# KiCad board nora.kicad_pcb (continued)
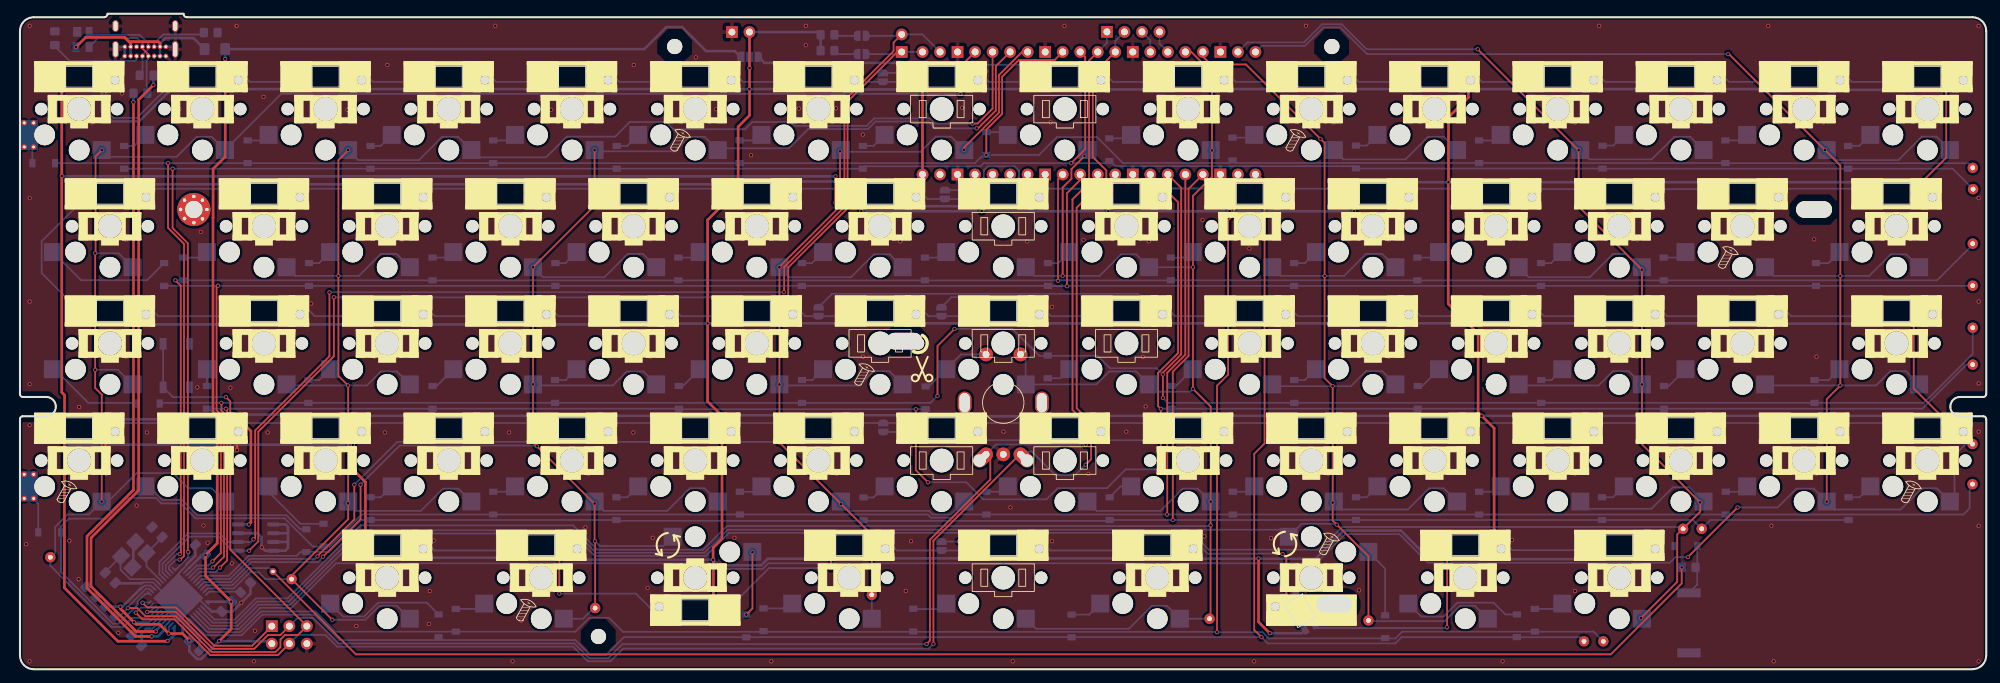
[diagram p0: board, top side]
## Routing (per net, layer and track width the routed paths; a pad name or vN(x,y) marks a point on that pad's centre or on a via; arc(x,y) is an arc through that point) (continued)
VCC: length 26.1
  Top w0.381: v1(8.12,90.27) 9.51,91.67 15.18,91.67 15.32,91.53 ; 16.3,91.05 20.05,91.05 20.3,90.8 J1.B4 ; 16.3,91.05 16.05,90.8 ; 16.3,91.05 15.8,91.05 15.32,91.53 ; 16.05,90.8 15.32,91.53 ; 16.05,90.8 J1.B9
  Bottom w0.381: J1.A9 J1.B4 20.3,90.8 21.07,91.57 25.16,91.57 F1.2 ; J1.B9 J1.A4
Audio_C6: length 227.5
  Top w0.254: Ext_AUDIO_PC6.1 48.69,2.15 230.58,2.15 240.86,12.43 v1(240.86,14.77)
  Bottom w0.254: 26.41,11.67 26.93,12.18 30.8,12.18 33.3,14.67 36.17,14.67 Ext_AUDIO_PC6.1
col0: length 257.2
  Top w0.254: U4.4 136.31,87.44 v1(136.31,83.47) ; v1(11.85,75.32) 10.95,74.42 10.95,60.4 v1(10.9,60.35) v1(10.9,43.45) 10.9,40.8 11.85,39.85 v1(11.85,24.32)
  Bottom w0.254: SW_8.1 27.79,26.25 24.4,26.25 22.2,28.45 16.9,28.45 12.77,24.32 v1(11.85,24.32) 9.98,22.45 7.8,22.45 7.8,22.45 6.9,22.45 5.1,20.65 5.1,16.95 EXT_C0.1 4.4,15.01 13.27,6.14 14.97,6.14 16.28,7.44 18.66,7.44 19.84,8.63 ; v1(136.31,83.47) 37.86,83.47 SW_5.1 27.79,77.25 25.6,77.25 22.7,74.35 12.83,74.35 v1(11.85,75.32) ; v1(10.9,60.35) 14.29,60.35 SW_6.1 ; v1(10.9,43.45) 14.19,43.45 SW_7.1
col1: length 272.4
  Top w0.254: v1(47.57,75.32) 47.57,75.29 46.15,73.87 v1(46.15,57.07) 46.15,42.56 v1(47.55,41.17) 47.57,41.14 v1(47.57,24.07) 47.57,21.77 39.37,13.57 EXT_C1.1 v1(45.27,7.17) ; v1(138.06,79.17) 138.8,79.17 140.98,81.35 U4.5
  Bottom w0.254: EXT_C1.1 35.58,13.07 34.6,14.05 33.32,14.05 30.99,11.72 27.18,11.72 26.72,11.27 ; SW_16.1 54.58,60.25 52.3,60.25 49.12,57.07 39.89,57.07 SW_11.1 ; SW_17.1 54.63,43.2 52.32,43.2 50.29,41.17 v1(47.55,41.17) 38.8,41.17 SW_12.1 ; v1(47.57,24.07) 48.67,22.97 58.1,22.97 61.33,26.2 63.56,26.2 SW_18.1 ; v1(45.27,7.17) 50.07,7.17 52.1,9.2 54.63,9.2 SW_19.1 ; v1(47.57,75.32) 49.02,73.87 57.82,73.87 61.2,77.25 63.51,77.25 SW_15.1 66.48,74.27 76.26,74.27 79.26,77.27 86.26,77.27 88.39,79.4 93.65,79.4 94.7,78.35 105.1,78.35 106.15,79.4 111.65,79.4 112.22,78.83 122.72,78.83 123.81,79.92 131.88,79.92 132.63,79.17 v1(138.06,79.17)
col2: length 284.7
  Top w0.254: v1(49.36,26.77) 49.36,21.76 v1(43.92,16.32) ; U4.6 141.45,87.49 141.45,81.06 138.86,78.47 v1(138.66,78.47) ; EXT_C2.1 83.37,18.56 v1(83.36,18.57) 83.29,18.64 v1(83.29,24.05) 83.22,24.05 v1(74.91,32.36) 74.36,32.9 v1(74.36,41.32) v1(74.36,58.32) 83.29,67.25 v1(83.29,75.32)
  Bottom w0.254: v1(43.92,16.32) 43.92,16.29 43.19,15.55 33.53,15.55 30.61,12.64 26.68,12.64 26.06,12.02 ; SW_27.1 90.35,43.2 87.95,43.2 85.92,41.17 74.52,41.17 v1(74.36,41.32) ; v1(74.91,32.36) 74.82,32.45 55.04,32.45 v1(49.36,26.77) ; SW_26.1 90.3,60.25 88.08,60.25 84.71,56.87 75.81,56.87 v1(74.36,58.32) ; v1(138.66,78.47) 132.69,78.47 131.7,79.47 124,79.47 122.91,78.37 114.24,78.37 111.44,75.57 101.4,75.57 SW_25.1 99.23,77.25 97,77.25 94.89,75.14 83.47,75.14 v1(83.29,75.32) ; v1(83.36,18.57) 84.06,17.87 93.25,17.87 SW_29.1 ; SW_24.1 81.61,7.32 83.16,8.87 EXT_C2.1 ; SW_28.1 99.23,26.25 97.09,26.25 93.82,22.97 84.64,22.97 SW_23.1
col3: length 270.8
  Top w0.254: EXT_C3.1 123.47,13.56 123.47,13.56 123.47,19.51 v1(119.01,23.97) v1(110.08,32.9) v1(110.08,41.32) v1(110.08,58.32) 110.08,58.39 118.87,67.18 v1(118.87,75.15) ; U4.7 145.25,89.56 141.9,86.22 141.9,80.76 136.86,75.72 v1(136.86,75.37) ; v1(43.12,16.37) 43.12,16.41 48.46,21.75 v1(48.46,26.77)
  Bottom w0.254: v1(119.01,23.97) 119.36,23.97 120.36,22.97 131.76,22.97 132.29,22.45 134.93,22.45 136.81,24.32 SW_38.1 ; EXT_C3.1 123.47,7.99 SW_39.1 ; v1(110.08,58.32) 111.53,56.87 120.47,56.87 123.79,60.2 126.06,60.2 SW_36.1 ; 25.71,12.38 26.43,13.09 30.43,13.09 33.34,16.01 42.75,16.01 v1(43.12,16.37) ; v1(48.46,26.77) 54.67,32.99 110,32.99 v1(110.08,32.9) ; SW_37.1 126.02,43.25 123.7,43.25 121.62,41.17 110.24,41.17 v1(110.08,41.32) ; v1(118.87,75.15) 119.01,75.29 SW_30.1 119.26,75.07 130.53,75.07 132.73,77.27 134.96,77.27 v1(136.86,75.37)
col5: length 373.5
  Top w0.254: U4.17 171.46,88.89 172.6,87.75 177.7,87.75 v1(188.5,76.95) 189.1,76.35 v1(189.1,57.07) 189.1,42.24 v1(190.26,41.07) 190.27,41.06 v1(190.27,24.17) 190.27,21.56 v1(190.86,20.97) 190.88,20.97 195.46,16.39 EXT_C5.1
  Bottom w0.254: v1(190.86,20.97) 190.73,21.1 185.77,21.1 SW_54.1 182.88,20.24 102.57,20.24 99.22,16.89 83.5,16.89 80.23,20.16 49.31,20.16 38.97,9.82 34.38,9.82 31.31,6.75 27.94,6.75 26.06,8.63 ; SW_51.1 182.77,57.07 v1(189.1,57.07) 191.92,57.07 195.1,60.25 197.45,60.25 SW_56.1 ; SW_55.1 206.38,77.25 204.1,77.25 200.82,73.97 191.8,73.97 SW_50.1 190.13,75.32 v1(188.5,76.95) ; v1(190.27,24.17) 191.27,23.17 201.17,23.17 204.25,26.25 206.38,26.25 SW_58.1 ; EXT_C5.1 195.56,6.97 206.49,6.97 208.72,9.2 210.9,9.2 SW_59.1 ; SW_57.1 197.45,43.25 195.1,43.25 192.92,41.07 v1(190.26,41.07) 181.77,41.07 SW_52.1
col6: length 445.9
  Top w0.254: v1(211.3,89.95) 220.8,80.45 220.8,80.41 225.89,75.32 v1(225.92,75.32) 225.92,67.15 v1(235.1,57.97) v1(235.1,41.32) 235.1,32.65 v1(243.55,24.2) 243.55,22.86 EXT_C6.1 241.02,20.37 240.21,19.56 240.21,12.68 v1(234.98,7.44)
  Bottom w0.254: v1(243.55,24.2) 243.55,24.8 241.95,26.4 239.6,26.4 236.47,23.27 227.22,23.27 SW_63.1 ; SW_65.1 242.1,77.25 239.8,77.25 236.52,73.97 227.52,73.97 SW_60.1 v1(225.92,75.32) ; U4.19 177.93,90.95 186.1,90.95 188.74,93.59 191.56,93.59 195.2,89.95 v1(211.3,89.95) ; EXT_C6.1 240.79,20.64 191.66,20.64 188.37,17.35 172.3,17.35 169.86,19.78 102.76,19.78 99.41,16.43 83.31,16.43 80.04,19.7 49.5,19.7 39.16,9.36 34.57,9.36 31.5,6.3 27.69,6.3 25.71,8.27 ; v1(235.1,41.32) 233.17,43.25 230.9,43.25 228.82,41.17 217.39,41.17 SW_62.1 ; v1(235.1,57.97) 232.82,60.25 230.9,60.25 227.52,56.87 218.69,56.87 SW_61.1
col7: length 495.5
  Top w0.254: v1(261.89,24.32) 261.89,39.2 v1(263.86,41.17) v1(263.86,57.07) 263.86,73.09 v1(261.63,75.32) 257.77,79.18 257.74,79.18 256.52,80.41 256.52,80.43 247.7,89.25 v1(247.6,89.25) ; v1(248.96,23.47) v1(241.76,16.27)
  Bottom w0.254: v1(241.76,16.27) 239.97,16.27 239.15,15.45 204.08,15.45 199.94,19.6 192.1,19.6 187.86,15.37 108.46,15.37 107.65,14.55 100.9,14.55 100.09,15.37 45.81,15.37 39.35,8.9 34.81,8.9 31.75,5.84 27.44,5.84 25.35,7.92 ; SW_76.1 273.4,60.2 271.17,60.2 268.05,57.07 v1(263.86,57.07) 254.21,57.07 SW_71.1 ; U4.20 179.11,89.56 180,90.45 186.25,90.45 188.93,93.13 191.37,93.13 195.25,89.25 v1(247.6,89.25) ; SW_75.1 277.8,77.27 275.67,77.27 272.27,73.87 263.34,73.87 SW_70.1 v1(261.63,75.32) ; EXT_C7.1 282.02,32.67 280.4,31.05 280.4,24.95 279.77,24.32 SW_78.1 277.82,26.25 275.69,26.25 272.61,23.17 263.04,23.17 v1(261.89,24.32) 260.01,26.2 257.5,26.2 254.77,23.47 v1(248.96,23.47) ; SW_72.1 253.11,41.17 263.86,41.17 v1(263.86,41.17) 269.04,41.17 271.11,43.25 273.35,43.25 SW_77.1
D+: length 92.4
  Top w0.381: v1(19.34,84.77) 17.2,82.64 17.2,25.95 10.3,19.05 10.3,12.02 16.84,5.48 v1(19.67,5.48)
  Bottom w0.254: 20.33,6.23 20.33,6.29 21.25,7.21
  Bottom w0.381: 20.36,6.25 19.67,5.56 v1(19.67,5.48) ; R3.1 19.35,84.78 v1(19.34,84.77)
D-: length 90.5
  Top w0.381: v1(19.09,4.76) 16.74,4.76 9.72,11.78 9.72,19.29 16.45,26.02 v1(16.45,82.28)
  Bottom w0.254: 21.61,6.86 20.99,6.24
  Bottom w0.381: v1(19.09,4.76) 19.11,4.78 19.99,4.78 21.04,5.84 21.04,6.2 ; R4.1 16.45,82.28 v1(16.45,82.28)
LED: length 244.5
  Top w0.381: U4.34 146.06,68.28 v1(147.16,67.17) ; v1(21.39,4.11) 21.34,4.06 14.19,4.06 6.43,11.82 6.43,36.55 6.46,36.58 6.46,39.77 6.06,40.17 v1(6.06,71.57) 6.06,85.12 5.96,85.22 ; v1(118.21,71.51) v1(118.21,67.67)
  Bottom w0.381: v1(118.21,67.67) 118.71,67.17 v1(147.16,67.17) ; 22.38,6.07 22.38,5.01 21.48,4.11 v1(21.39,4.11) ; v1(6.06,71.57) 6.12,71.51 v1(118.21,71.51)
  vias: v1(5.96,85.22)
MISO: length 23.5
  Top w0.254: v1(17.77,9.65) 18.44,8.97 22.59,8.97 28.14,3.42 33.67,3.42 J5.1
  Bottom w0.254: v1(17.77,9.65) 17.81,9.69 18.78,9.69
PICO_10: length 3.4
  Bottom w0.254: U4.14 163.84,91.26 J2.3
PICO_11: length 3.4
  Bottom w0.254: U4.15 165.17,90.77 J2.4
PICO_VBUS: length 38.6
  Top w0.381: v1(128.16,87.77) 130.82,85.12 U4.40
  Bottom w0.381: JP3.1 107.93,87.97 127.96,87.97 v1(128.16,87.77)
RE1_S1: length 368.6
  Top w0.254: U4.16 169.77,89.56 172.77,86.57 v1(172.77,75.27) 172.77,71.43 170.02,68.68 v1(170.02,58.32) v1(170.02,40.67) 172.59,38.11 v1(172.59,24.32) 172.57,24.31 v1(172.57,20.87) 172.57,7.47 EXT_C4.1 ; v1(151.13,57.07) 151.13,69.88 152.4,71.15 152.4,72.55 v1(154.3,74.45)
  Bottom w0.254: v1(172.57,20.87) 172.47,20.77 102.46,20.77 99.03,17.35 83.69,17.35 80.17,20.87 49.38,20.87 38.78,10.27 34.19,10.27 31.13,7.21 28.18,7.21 26.41,8.98 ; EXT_C4.1 SW_49.1 166.25,9.2 164.07,9.2 160.75,5.87 147.25,5.87 SW_44.1 ; SW_41.1 147.05,57.07 v1(151.13,57.07) 156.48,57.07 159.61,60.2 161.78,60.2 SW_46.1 v1(170.02,58.32) ; SW_43.1 156.08,22.97 165.31,22.97 168.54,26.2 170.71,26.2 v1(172.59,24.32) ; v1(170.02,40.67) 169.62,40.27 164.71,40.27 SW_47.1 161.78,43.2 157.89,43.2 156.01,41.32 145.78,41.32 145.76,41.34 145.76,44.94 RE_42.S1
RE1_S2: length 10.7
  Bottom w0.254: D42.2 131.72,41.02 134.22,43.52 ; RE_42.S2 136.4,45.67 SW_42.2 134.21,43.52
RE1A_SCK: length 231.2
  Top w0.254: v1(154.46,32.59) 154.76,32.89 154.76,35.4 152.56,37.6 152.56,68.17 154.96,70.57 154.96,88.31 U4.11 ; v1(18.45,8.32) 22.6,8.32 27.96,2.96 33.95,2.96 35.94,4.95 37.74,4.95 J5.3 ; v1(131.4,3.65) 131.9,4.15 131.9,18.8 140.65,27.55 140.65,30.55 140.02,31.17
  Bottom w0.254: v1(18.45,8.32) 18.82,8.32 19.49,8.98 ; v1(131.4,3.65) 87.34,3.65 85.3,1.62 82.47,1.62 80.36,3.73 46.17,3.73 42.47,7.43 40.22,7.43 J5.3 ; U4.11 157.55,90.89 J2.1 ; v1(154.46,32.59) 141.45,32.59 140.02,31.17
RE1B_MOSI: length 237.7
  Top w0.254: 145.02,31.17 144.92,31.17 132.4,18.65 v1(132.4,3.67) ; v1(154.46,29.67) 155.26,30.47 155.26,35.77 153.16,37.87 153.16,66.97 157.46,71.27 157.46,72.37 155.5,74.34 155.5,86.3 U4.12 ; J5.4 37.38,2.05 27.58,2.05 22.39,7.23 17.75,7.23 v1(16.78,8.2)
  Bottom w0.254: J2.2 158.76,91.14 U4.12 ; 19.13,9.33 18.75,8.95 17.54,8.95 16.79,8.2 v1(16.78,8.2) ; 145.02,31.17 145.42,31.57 146.66,31.57 150.05,28.18 152.97,28.18 v1(154.46,29.67) ; J5.4 40.3,4.97 44.27,4.97 45.97,3.27 80.17,3.27 82.28,1.16 85.59,1.16 87.44,3 131.73,3 v1(132.4,3.67)
RESET: length 92.1
  Top w0.254: v1(29.86,39.47) 30.48,38.85 30.48,31.95 30.48,31.95 30.48,17.35 J5.5 40.28,4.95 38.4,4.95 37.76,4.31 37.76,3.22 37.04,2.51 27.77,2.51 22.58,7.69 18.19,7.69 17.01,8.87 v1(15.63,8.87)
  Bottom w0.254: 19.13,11.31 19.07,11.31 18.69,11.69 18.28,11.69 15.63,9.05 v1(15.63,8.87) 14.52,7.75 13.8,7.75 ; ResetSW1.2 ResetSW1.2 22.17,39.47 v1(29.86,39.47)
row0: length 365.9
  Top w0.254: v1(23.14,15.9) 23.24,15.9 23.77,16.44 23.77,61.72 21.46,64.03 v1(21.46,73.42) ; v1(140.07,74.62) 140.07,78.29 142.36,80.57 142.36,85.97 144.77,88.38 149.96,88.38 U4.9
  Bottom w0.254: v1(23.14,15.9) 22.58,15.9 21.59,14.91 21.59,14.52 21.96,14.14 ; 211.52,73.45 247.17,73.45 ; 211.52,73.45 204.26,73.45 204.25,73.45 192.71,73.45 192.71,73.45 176.13,73.45 D50.1 175.37,73.45 159.87,73.45 156.11,77.2 150.29,77.2 147.71,74.62 139.62,74.62 138.42,73.42 D30.1 D20.1 68.59,73.42 33,73.42 D9.1 v1(21.46,73.42) D1.1 ; 211.52,73.45 D60.1 ; EXT_R0.1 282.38,73.42 247.2,73.42 D70.1
row1: length 322.8
  Top w0.254: U4.32 150.46,71.11 v1(150.46,56.37) ; v1(23.14,16.71) 23.32,16.88 23.32,27.3 23.3,27.32 23.3,55.65 v1(22.53,56.42)
  Bottom w0.254: v1(22.53,56.42) 23.69,56.42 ; 23.69,56.42 D21.1 59.81,56.42 95.42,56.42 D31.1 95.43,56.42 166.82,56.42 D51.1 D61.1 202.56,56.42 238.24,56.42 D71.1 277.88,56.42 283.05,61.6 EXT_R1.1 ; 23.69,56.42 D11.1 23.69,56.42 ; 21.61,13.79 21.13,14.27 21.13,15.1 22.74,16.71 v1(23.14,16.71)
row2: length 346.5
  Top w0.254: v1(131.61,27.12) 129.86,28.87 v1(129.86,37.72) ; v1(29,14.75) 30.03,15.78 30.03,31.76 30.02,31.76 30.02,37.63 v1(29.85,37.8) ; U4.27 167.86,67.76 167.86,45.87 164.96,42.97 164.96,38.17 v1(165.36,37.77) v1(165.36,29.02)
  Bottom w0.254: v1(165.36,37.77) 165.39,37.8 D52.1 D62.1 D72.1 275.75,37.8 282.15,44.2 EXT_R2.1 ; D42.1 95.58,37.72 D32.1 D22.1 D12.1 ; v1(131.61,27.12) 137.16,27.12 139.63,24.65 148.79,24.65 150.41,26.27 157.56,26.27 160.28,29 165.33,29 v1(165.36,29.02) ; 25,13.08 26.04,14.12 28.37,14.12 v1(29,14.75)
row3: length 362.7
  Top w0.254: U4.25 168.92,45.64 166.29,43.01 166.29,22.48 v1(166.26,22.45)
  Bottom w0.254: EXT_R3.1 282.6,26.44 282.6,23.35 281.7,22.45 257.83,22.45 257.83,22.45 D73.1 241.53,22.45 241.53,22.45 211.5,22.45 D63.1 205.81,22.45 205.81,22.45 204.26,22.45 204.25,22.45 187.95,22.45 187.95,22.45 186.4,22.45 186.39,22.45 D53.1 170.09,22.45 170.09,22.45 168.54,22.45 168.53,22.45 v1(166.26,22.45) 152.23,22.45 152.23,22.45 150.68,22.45 150.68,22.45 135.64,22.45 135.18,21.99 132.04,21.99 131.59,22.45 114.96,22.45 114.96,22.45 D33.1 98.66,22.45 98.65,22.45 97.1,22.45 97.1,22.45 80.8,22.45 80.79,22.45 79.24,22.45 79.24,22.45 D23.1 62.94,22.45 62.94,22.45 61.38,22.45 61.38,22.45 49.54,22.45 44.89,17.8 D13.1 42.45,17.8 38.36,21.89 25.46,21.89 23.3,24.05 20.5,24.05 19.7,24.85 15.5,24.85 12.5,21.85 7.1,21.85 5.95,20.7 D2.1 5.95,14.11 13.46,6.6 14.28,6.6 17.06,9.37 17.06,9.83 18.19,10.96 18.78,10.96
row4: length 278.6
  Top w0.254: v1(173.51,5.37) 173.51,41.14 175.12,42.75 175.12,65.13 175.96,65.97 175.96,71.21 U4.22
  Bottom w0.254: EXT_R4.1 228.1,5.45 200.35,5.45 199.37,4.47 181.02,4.47 180.12,5.37 v1(173.51,5.37) 173.47,5.42 87.42,5.42 85.38,7.45 82.52,7.45 80.51,5.45 45.75,5.45 42.82,8.37 34.93,8.37 31.94,5.38 27.19,5.38 25,7.57
row5: length 347.6
  Top w0.254: v1(152.36,73.42) 154.4,75.46 154.4,88.84 U4.10 ; v1(22.13,72.62) 22.13,64.01 24.33,61.81 24.33,17.09 v1(24.4,17.01)
  Bottom w0.254: 22.31,14.5 22.64,14.5 24.4,16.26 v1(24.4,17.01) ; EXT_R5.1 280.13,72.62 D75.1 229.44,72.62 229.39,72.67 229.36,72.64 193.67,72.64 D55.1 193.33,72.99 158.78,72.99 158.05,73.72 D45.1 157.6,73.42 v1(152.36,73.42) 139.66,73.42 139.2,72.96 122.51,72.96 D35.1 D25.1 v1(22.13,72.62) D4.1
row6: length 330.4
  Top w0.254: v1(151.76,55.57) 151.76,69.07 153.68,70.99 U4.31 ; v1(27.9,15.65) 29.11,16.86 29.11,29.16 29.11,29.17 29.11,31.38 29.11,31.39 29.11,36.96 28.49,37.58 28.49,55.43 v1(28.71,55.65)
  Bottom w0.254: 24.31,13.75 25.62,15.05 27.3,15.05 v1(27.9,15.65) ; EXT_R6.1 283.02,55.62 D76.1 D66.1 D56.1 D46.1 152.02,55.62 D36.1 D26.1 41.89,55.62 D16.1 D5.1
row7: length 344.3
  Top w0.254: v1(165.66,39.37) v1(165.66,42.77) 165.66,43.03 168.32,45.69 168.32,69.85 U4.26 ; v1(132.99,39.66) 132.99,46.91 v1(135.46,49.37) ; v1(28,14.75) 29.57,16.32 29.57,31.57 29.57,31.58 29.57,37.15 29.2,37.52 v1(29.2,38.65)
  Bottom w0.254: 24.65,13.44 25.8,14.59 27.84,14.59 v1(28,14.75) ; EXT_R7.1 283.05,45.75 275.95,38.65 D77.1 D67.1 D57.1 166.39,38.65 v1(165.66,39.37) ; v1(165.66,42.77) 164.76,43.67 157.99,43.67 156.19,45.47 147.76,45.47 143.86,49.37 v1(135.46,49.37) ; v1(132.99,39.66) 131.98,38.65 D37.1 D27.1 D17.1 29.2,38.65 v1(29.2,38.65) 29.19,38.65 20.4,38.65 20.2,38.45
row8: length 296.5
  Top w0.254: v1(167.1,21.65) 167.1,43.18 169.38,45.45 169.38,69.7 U4.24
  Bottom w0.254: D78.1 245.04,21.65 EXT_R8.1 242.49,21.65 D68.1 D58.1 D48.1 157.83,21.53 86.57,21.53 D28.1 D18.1 49.45,21.65 44.82,17.02 41.52,17.02 D7.1 40.65,17 40.11,16.46 33.15,16.46 30.24,13.55 26.18,13.55 25.31,12.68
row9: length 277.6
  Top w0.254: U4.21 179.35,71.78 180.4,70.74 180.4,32.75 178.9,31.25 178.9,5.7 v1(179.95,4.65)
  Bottom w0.254: 24.65,7.21 26.94,4.92 32.12,4.92 35.12,7.92 42.63,7.92 46.32,4.23 80.5,4.23 82.66,2.07 84.96,2.07 87.54,4.65 v1(179.95,4.65) 180.86,3.74 199.34,3.74 200.25,4.65 226.1,4.65 EXT_R9.1
SCL: length 181.4
  Top w0.254: v1(110.73,54.69) 110.77,54.73 110.77,58.35 119.5,67.08 119.5,80.56 119.5,82.56 126.62,89.68 126.62,90.92 J3.2 ; v1(44.86,54.67) 44.86,45.42 34.09,34.65 34.09,19.09 v1(33.85,18.85)
  Bottom w0.254: U4.2 130.82,92.1 J3.2 127.6,91.9 JP2.2 ; v1(44.86,54.67) 44.89,54.7 110.72,54.7 v1(110.73,54.69) ; 20.9,13.08 20.22,13.77 20.22,15.57 24.36,19.71 28.94,19.71 30.18,18.46 U2.6 33.47,18.46 v1(33.85,18.85)
SDA: length 176
  Top w0.254: J3.1 127.15,89.56 119.96,82.37 119.96,66.89 111.36,58.29 111.36,53.97 v1(111.34,53.95) ; v1(45.49,53.97) 45.49,45.4 34.55,34.46 34.55,18.55 v1(33.2,17.2)
  Bottom w0.254: JP1.2 127.49,89.25 J3.1 U4.1 ; v1(45.49,53.97) 45.51,53.95 111.34,53.95 v1(111.34,53.95) ; 21.25,13.44 20.67,14.02 20.67,15.32 24.6,19.25 28.75,19.25 30.8,17.2 31.57,17.2 U2.5 31.58,17.2 v1(33.2,17.2)
Skip_R1C: length 43.4
  Bottom w0.254: 166.54,85.22 158.42,85.22 156.92,86.72 154.09,86.72 154.09,87.39 153.77,87.7 129.41,87.7 128.23,86.52 JP4.2
Skip_R2C: length 13.2
  Bottom w0.254: 139.88,68.22 131.56,68.22 130.06,69.72 127.3,69.72
Skip_R3C: length 26.3
  Bottom w0.254: JP7.2 135.01,53.97 144.58,53.97 145.16,53.39 145.16,52.72 ; 145.02,52.72 147.96,52.72 149.46,51.22 157.61,51.22
Skip_R3RE: length 62.7
  Bottom w0.254: 162.88,52.72 165.93,52.72 167.43,51.22 175.74,51.22 ; JP6.2 117.71,54.47 161.99,54.47 163.08,53.39 L40.2
Skip_R4C: length 13.2
  Bottom w0.254: 118.24,35.72 129.11,35.72 130.61,34.22 130.82,34.22
Skip_R5C: length 30.5
  Top w0.254: v1(136.1,18.55) 137.25,19.7 144.84,19.7 145.16,19.39 v1(145.16,18.72)
  Bottom w0.254: 162.21,17.22 149.38,17.22 147.88,18.72 v1(145.16,18.72) ; v1(136.1,18.55) 136.07,18.52 JP9.2
Net-(C2-Pad1): length 8.3
  Bottom w0.254: 20.59,12.68 18.34,14.93 Y1.1 20.6,19.1 C2.1
Net-(C3-Pad1): length 11.8
  Bottom w0.254: 20.19,12.38 19.49,13.07 15.95,13.07 14.58,14.44 14.58,16.33 Y1.3 12.36,14.1 C3.1
Net-(C6-Pad1): length 5.6
  Bottom w0.254: 16.2,4.85 17.71,6.36 18.98,6.36 20.55,7.92
Net-(D1-Pad2): length 4.3
  Bottom w0.254: SW_1.2 1.3,76.45 1.79,75.96 D1.2
Net-(D2-Pad2): length 7.2
  Bottom w0.254: SW_3.2 1.3,25.33 2.65,23.99 D2.2
Net-(D4-Pad2): length 3.7
  Bottom w0.254: D4.2 16.56,75.92 SW_5.2
Net-(D5-Pad2): length 18.8
  Bottom w0.254: D5.2 18.42,56.45 8.85,56.45 SW_6.2
Net-(D6-Pad2): length 14.2
  Bottom w0.254: 16.9,38.55 16.8,38.65 9.9,38.65 5.03,43.52 SW_7.2
Net-(D7-Pad2): length 25.9
  Bottom w0.254: SW_8.2 18.67,26.52 20.65,24.55 23.5,24.55 25.7,22.35 38.6,22.35 40.65,20.3 D7.2
Net-(D9-Pad2): length 3.4
  Bottom w0.254: SW_10.2 35.22,76.72 D9.2
Net-(D10-Pad2): length 14.4
  Bottom w0.254: R3.2 17.75,86.57 J1.A6 17.75,89.12 18.6,89.97 J1.B6 18.6,90.8 17.37,92.03 10.46,92.03 D10.2
Net-(D10-Pad3): length 16.3
  Top w0.254: J1.B7 17.75,90.06 18.6,89.21 J1.A7
  Bottom w0.254: D10.3 11.32,91.57 16.98,91.57 17.75,90.8 J1.B7 ; R4.2 18.36,83.66 18.36,88.32 18.6,88.56 J1.A7
Net-(D11-Pad2): length 3.7
  Bottom w0.254: SW_11.2 26.29,59.72 D11.2
Net-(D12-Pad2): length 2.4
  Bottom w0.254: SW_12.2 27.1,43.52 D12.2
Net-(D13-Pad2): length 10.7
  Bottom w0.254: D13.2 40.65,21.1 36.02,25.73 SW_13.2
Net-(D14-Pad2): length 4.4
  Bottom w0.254: D14.2 66.5,8.75 SW_24.2
Net-(D15-Pad2): length 3.7
  Bottom w0.254: D15.2 52.28,75.92 SW_15.2
Net-(D16-Pad2): length 3.7
  Bottom w0.254: SW_16.2 43.35,58.92 D16.2
Net-(D17-Pad2): length 3.8
  Bottom w0.254: SW_17.2 43.38,41.95 D17.2
Net-(D18-Pad2): length 3.7
  Bottom w0.254: D18.2 52.31,24.95 SW_18.2
Net-(D19-Pad2): length 18
  Bottom w0.254: SW_19.2 46.83,7.65 49.9,7.65 51.91,9.66 58.97,9.66 D19.2
Net-(D20-Pad2): length 3.5
  Bottom w0.254: SW_20.2 70.94,76.72 D20.2
Net-(D21-Pad2): length 3.3
  Bottom w0.254: 59.8,59.72 62.01,59.72 SW_21.2
Net-(D22-Pad2): length 4
  Bottom w0.254: SW_22.2 60.39,41.1 D22.2
Net-(D23-Pad2): length 3.5
  Bottom w0.254: D23.2 70.97,25.75 SW_23.2
Net-(D25-Pad2): length 3.8
  Bottom w0.254: SW_25.2 88,75.92 D25.2
Net-(D26-Pad2): length 3.7
  Bottom w0.254: SW_26.2 79.07,58.92 D26.2
Net-(D27-Pad2): length 3.8
  Bottom w0.254: SW_27.2 79.1,41.95 D27.2
Net-(D28-Pad2): length 3.8
  Bottom w0.254: D28.2 88.03,24.95 SW_28.2
Net-(D29-Pad2): length 9.4
  Top w0.254: v1(105.27,7.92) 106.17,8.82 v1(106.17,16.97)
Net-(D30-Pad2): length 3.5
  Bottom w0.254: SW_30.2 106.66,76.72 D30.2
Net-(D31-Pad2): length 3.4
  Bottom w0.254: 95.43,59.72 97.73,59.72 SW_31.2
Net-(D32-Pad2): length 4
  Bottom w0.254: SW_32.2 96.11,41.1 D32.2
Net-(D33-Pad2): length 3.4
  Bottom w0.254: D33.2 106.69,25.75 SW_33.2
Net-(D35-Pad2): length 3.8
  Bottom w0.254: D35.2 123.72,75.92 SW_35.2
Net-(D36-Pad2): length 3.7
  Bottom w0.254: D36.2 114.79,58.92 SW_36.2
Net-(D37-Pad2): length 3.7
  Bottom w0.254: SW_37.2 114.82,41.95 D37.2
Net-(D38-Pad2): length 3.7
  Bottom w0.254: SW_38.2 123.72,24.92 D38.2
Net-(D39-Pad2): length 4.4
  Bottom w0.254: SW_39.2 111.23,8.82 D39.2
Net-(D40-Pad2): length 3.3
  Bottom w0.254: D40.2 142.78,77.92 SW_40.2
Net-(D41-Pad2): length 3.4
  Bottom w0.254: D41.2 133.45,59.72 SW_41.2
Net-(D43-Pad2): length 3.4
  Bottom w0.254: SW_43.2 142.4,25.75 D43.2
Net-(D44-Pad2): length 5.1
  Bottom w0.254: SW_44.2 133.45,8.72 129.47,8.72
Net-(D45-Pad2): length 3.3
  Bottom w0.254: SW_45.2 160.54,77.02 D45.2
Net-(D46-Pad2): length 3.8
  Bottom w0.254: SW_46.2 150.51,58.92 D46.2
Net-(D47-Pad2): length 3.7
  Bottom w0.254: D47.2 150.81,42.22 SW_47.2
Net-(D48-Pad2): length 3.7
  Bottom w0.254: D48.2 159.52,26.52 SW_48.2
Net-(D49-Pad2): length 4.8
  Bottom w0.254: D49.2 154.97,7.92 SW_49.2
Net-(D50-Pad2): length 3.3
  Bottom w0.254: D50.2 178.5,77.12 SW_50.2
Net-(D51-Pad2): length 3.5
  Bottom w0.254: 166.83,59.72 169.17,59.72 SW_51.2
Net-(D52-Pad2): length 4.1
  Bottom w0.254: D52.2 167.54,41.1 SW_52.2
Net-(D53-Pad2): length 3.4
  Bottom w0.254: D53.2 178.12,25.75 SW_53.2
Net-(D54-Pad2): length 10.2
  Bottom w0.254: SW_54.2 197.87,14.6 D54.2
Net-(D55-Pad2): length 3.8
  Bottom w0.254: SW_55.2 195.21,75.97 D55.2
Net-(D56-Pad2): length 3.8
  Bottom w0.254: D56.2 186.23,58.92 SW_56.2
Net-(D57-Pad2): length 3.8
  Bottom w0.254: D57.2 186.25,41.95 SW_57.2
Net-(D58-Pad2): length 3.8
  Bottom w0.254: D58.2 195.18,24.95 SW_58.2
Net-(D59-Pad2): length 18.1
  Bottom w0.254: D59.2 215.3,7.95 213.59,9.66 208.36,9.66 206.35,7.65 203.1,7.65 SW_59.2
Net-(D60-Pad2): length 3.5
  Bottom w0.254: SW_60.2 213.82,76.72 D60.2
Net-(D61-Pad2): length 3.5
  Bottom w0.254: 202.55,59.72 204.89,59.72 SW_61.2
Net-(D62-Pad2): length 4.1
  Bottom w0.254: SW_62.2 203.26,41.1 D62.2
Net-(D63-Pad2): length 3.4
  Bottom w0.254: SW_63.2 213.84,25.75 D63.2
Net-(D64-Pad2): length 4.3
  Bottom w0.254: SW_64.2 222.77,8.75 D64.2
Net-(D65-Pad2): length 3.7
  Bottom w0.254: SW_65.2 230.93,75.97 229.39,75.97
Net-(D66-Pad2): length 3.7
  Bottom w0.254: D66.2 221.95,58.92 SW_66.2
Net-(D67-Pad2): length 3.7
  Bottom w0.254: D67.2 221.97,41.95 SW_67.2
Net-(D68-Pad2): length 3.8
  Bottom w0.254: D68.2 230.9,24.95 SW_68.2
Net-(D70-Pad2): length 3.5
  Bottom w0.254: SW_70.2 249.54,76.72 D70.2
Net-(D71-Pad2): length 3.5
  Bottom w0.254: SW_71.2 240.61,59.72 238.25,59.72
Net-(D72-Pad2): length 4.1
  Bottom w0.254: SW_72.2 238.98,41.1 D72.2
Net-(D73-Pad2): length 3.4
  Bottom w0.254: SW_73.2 249.56,25.75 D73.2
Net-(D75-Pad2): length 3.9
  Bottom w0.254: D75.2 266.6,75.92 SW_75.2
Net-(D76-Pad2): length 4.1
  Bottom w0.254: D76.2 262.13,58.92 SW_76.2
Net-(D77-Pad2): length 4.3
  Bottom w0.254: SW_77.2 262.16,41.95 D77.2
Net-(D78-Pad2): length 3.8
  Bottom w0.254: D78.2 266.62,24.95 SW_78.2
Net-(D99-Pad1): length 7.5
  Bottom w0.254: D99.1 243.12,15.02 R7.2 243.11,14.54 243.11,12.27 LS1.2
Net-(J1-PadA5): length 13.5
  Bottom w0.254: J1.A5 16.9,88.47 16.72,88.28 7.16,88.28 5.05,90.39 R2.2
Net-(J1-PadB5): length 8.3
  Bottom w0.254: J1.B5 19.45,90.8 20.74,92.09 26.37,92.09 R1.2
Net-(JP1-Pad1): length 3.5
  Bottom w0.254: R8.2 118.55,89.25 JP1.1
Net-(JP2-Pad1): length 3.4
  Bottom w0.254: R9.2 118.2,91.9 JP2.1
Net-(JP4-Pad1): length 13.2
  Bottom w0.254: 130.95,85.22 122.59,85.22 121.09,86.72 118.37,86.72
Net-(JP5-Pad1): length 29.1
  Bottom w0.254: 155.21,69.62 156.6,68.22 157.74,68.22 ; 155.21,69.62 155.1,69.72 ; 155.21,69.62 155.1,69.72 ; 155.1,69.72 L24.4 144.81,70.14 144.81,72.32 144.17,72.96 140.29,72.96 139.71,72.37 139.71,71.38 137.85,69.52 JP5.1
Net-(JP6-Pad1): length 13.5
  Bottom w0.254: 109.3,52.72 112.33,52.72 113.83,51.22 122.16,51.22
Net-(JP7-Pad1): length 13.1
  Bottom w0.254: 127.3,52.72 130.2,52.72 131.7,51.22 139.75,51.22
Net-(JP8-Pad1): length 55.2
  Bottom w0.254: 166.31,34.22 164.81,35.72 L54.4 ; 166.31,34.22 165.31,33.22 130.11,33.22 128.91,34.42 JP8.1 ; 166.31,34.22 L53.2
Net-(JP9-Pad1): length 17.7
  Bottom w0.254: 139.88,17.22 127.09,17.22 125.59,18.72 122.84,18.72
Net-(L1-Pad2): length 20.2
  Bottom w0.254: L2.4 22.18,85.22 16.95,80 13.55,80 12.8,80.75 12.46,81.09 12.46,85.85 11.59,86.72 L1.2
Net-(L2-Pad2): length 13.5
  Bottom w0.254: 28.93,86.72 31.83,86.72 33.33,85.22 41.79,85.22
Net-(L3-Pad2): length 13.5
  Bottom w0.254: 59.65,85.22 51.15,85.22 49.65,86.72 46.79,86.72
Net-(L4-Pad2): length 13.5
  Bottom w0.254: 77.51,85.22 69.03,85.22 67.53,86.72 64.65,86.72
Net-(L5-Pad2): length 13.5
  Bottom w0.254: 95.37,85.22 86.87,85.22 85.37,86.72 82.51,86.72
Net-(L6-Pad2): length 13.5
  Bottom w0.254: 113.23,85.22 104.77,85.22 103.27,86.72 100.37,86.72
Net-(L8-Pad2): length 13.2
  Bottom w0.254: 136.1,86.72 138.95,86.72 140.45,85.22 148.68,85.22
Net-(L10-Pad2): length 13.5
  Bottom w0.254: 171.81,86.72 174.73,86.72 176.23,85.22 184.67,85.22
Net-(L11-Pad2): length 13.5
  Bottom w0.254: 189.67,86.72 192.53,86.72 194.03,85.22 202.53,85.22
Net-(L12-Pad2): length 13.5
  Bottom w0.254: 220.39,85.22 211.93,85.22 210.43,86.72 207.53,86.72
Net-(L13-Pad2): length 13.5
  Bottom w0.254: 225.39,86.72 228.33,86.72 229.83,85.22 238.25,85.22
Net-(L14-Pad2): length 13.5
  Bottom w0.254: 243.25,86.72 246.23,86.72 247.73,85.22 256.11,85.22
Net-(L15-Pad2): length 13.5
  Bottom w0.254: 273.97,85.22 265.53,85.22 264.03,86.72 261.11,86.72
Net-(L16-Pad2): length 18.9
  Top w0.254: v1(279.21,86.72) 279.21,74.23 L17.4
  vias: v1(274.71,69.72)
Net-(L17-Pad2): length 17.9
  Bottom w0.254: 252.18,69.72 267.54,69.72 269.04,68.22 269.5,68.22
Net-(L18-Pad2): length 13.3
  Bottom w0.254: 247.18,68.22 246.44,68.22 245.01,69.65 234.53,69.65 234.45,69.72
Net-(L19-Pad2): length 13.3
  Bottom w0.254: 216.6,69.72 216.67,69.65 227.27,69.65 228.7,68.22 229.32,68.22
Net-(L20-Pad2): length 13.5
  Bottom w0.254: 211.46,68.22 210.98,68.22 209.48,69.72 198.6,69.72
Net-(L21-Pad2): length 13.5
  Bottom w0.254: 193.6,68.22 193.13,68.22 191.63,69.72 180.74,69.72
Net-(L22-Pad2): length 13.5
  Bottom w0.254: 162.91,69.75 173.6,69.75 175.13,68.22 175.74,68.22
Net-(L25-Pad2): length 13.5
  Bottom w0.254: 109.3,69.72 119.63,69.72 121.13,68.22 122.16,68.22
Net-(L26-Pad2): length 13.5
  Bottom w0.254: 91.44,69.72 102.03,69.72 103.53,68.22 104.3,68.22
Net-(L27-Pad2): length 13.5
  Bottom w0.254: 73.58,69.72 84.03,69.72 85.53,68.22 86.44,68.22
Net-(L28-Pad2): length 13.5
  Bottom w0.254: 68.58,68.22 67.33,68.22 65.83,69.72 55.72,69.72
Net-(L29-Pad2): length 13.5
  Bottom w0.254: 50.72,68.22 49.53,68.22 48.03,69.72 37.86,69.72
Net-(L30-Pad2): length 17.9
  Bottom w0.254: 15.54,69.72 30.23,69.72 31.73,68.22 32.86,68.22
Net-(L31-Pad2): length 24.5
  Bottom w0.254: 10.54,51.22 9.39,51.22 3.14,57.47 3.14,62.09 9.28,68.22 10.54,68.22
Net-(L32-Pad2): length 17.9
  Bottom w0.254: 15.54,52.72 18.51,52.72 20.01,51.22 32.86,51.22
Net-(L33-Pad2): length 13.7
  Bottom w0.254: 37.86,52.72 38.09,52.95 41,52.95 42.73,51.22 50.72,51.22
Net-(L34-Pad2): length 13.7
  Bottom w0.254: 55.72,52.72 55.95,52.95 58.4,52.95 60.13,51.22 68.58,51.22
Net-(L35-Pad2): length 13.7
  Bottom w0.254: 86.44,51.22 78.03,51.22 76.3,52.95 73.81,52.95 73.58,52.72
Net-(L36-Pad2): length 13.7
  Bottom w0.254: 104.3,51.22 95.83,51.22 94.1,52.95 91.67,52.95 91.44,52.72
Net-(L41-Pad2): length 13.5
  Bottom w0.254: 193.6,51.22 185.23,51.22 183.73,52.72 180.74,52.72
Net-(L42-Pad2): length 13.5
  Bottom w0.254: 198.6,52.72 201.53,52.72 203.03,51.22 211.46,51.22
Net-(L43-Pad2): length 13.5
  Bottom w0.254: 229.32,51.22 220.93,51.22 219.43,52.72 216.46,52.72
Net-(L44-Pad2): length 13.5
  Bottom w0.254: 234.32,52.72 237.23,52.72 238.73,51.22 247.18,51.22
Net-(L45-Pad2): length 17.9
  Bottom w0.254: 269.5,51.22 256.73,51.22 255.23,52.72 252.18,52.72
Net-(L46-Pad2): length 18.8
  Top w0.254: v1(278.97,35.72) 278.97,36.27 274.5,40.74 v1(274.5,52.72)
Net-(L47-Pad2): length 13.5
  Bottom w0.254: 273.97,34.22 273.39,34.22 271.89,35.72 261.11,35.72
Net-(L48-Pad2): length 13.5
  Bottom w0.254: 243.25,35.72 254.09,35.72 255.59,34.22 256.11,34.22
Net-(L49-Pad2): length 13.5
  Bottom w0.254: 225.39,35.72 236.19,35.72 237.69,34.22 238.25,34.22
Net-(L50-Pad2): length 13.5
  Bottom w0.254: 220.39,34.22 219.89,34.22 218.39,35.72 207.53,35.72
Net-(L51-Pad2): length 13.5
  Bottom w0.254: 202.53,34.22 201.99,34.22 200.49,35.72 189.67,35.72
Net-(L52-Pad2): length 13.5
  Bottom w0.254: 184.67,34.22 184.13,34.22 182.63,35.72 171.81,35.72
Net-(L54-Pad2): length 13.3
  Bottom w0.254: 136.1,35.72 146.91,35.72 148.41,34.22 L54.2
Net-(L56-Pad2): length 13.5
  Bottom w0.254: 100.37,35.72 111.26,35.72 112.76,34.22 113.23,34.22
Net-(L57-Pad2): length 13.5
  Bottom w0.254: 95.37,34.22 94.86,34.22 93.36,35.72 82.51,35.72
Net-(L58-Pad2): length 13.5
  Bottom w0.254: 64.65,35.72 75.49,35.72 76.99,34.22 77.51,34.22
Net-(L59-Pad2): length 13.5
  Bottom w0.254: 46.79,35.72 57.66,35.72 59.16,34.22 59.65,34.22
Net-(L60-Pad2): length 13.5
  Bottom w0.254: 28.93,35.72 39.76,35.72 41.26,34.22 41.79,34.22
Net-(L61-Pad2): length 13.5
  Bottom w0.254: 23.93,34.22 23.46,34.22 21.96,35.72 11.07,35.72
Net-(L62-Pad2): length 59.6
  Top w0.381: v1(50.56,17.22) 50.06,17.73 50.06,27.17 48.26,28.97 v1(48.26,32.57)
  Bottom w0.381: 6.07,34.22 6.07,33.43 6.93,32.57 v1(48.26,32.57)
Net-(L63-Pad2): length 17.7
  Bottom w0.254: 55.87,18.72 58.59,18.72 60.09,17.22 72.92,17.22
Net-(L64-Pad2): length 26.1
  Top w0.254: 78.17,18.71 v1(78.17,10.97)
  Bottom w0.254: 95.24,7.82 92.42,7.82 89.27,10.97 v1(78.17,10.97)
  vias: v1(78.19,18.72)
Net-(L65-Pad2): length 21.8
  Top w0.254: v1(117.57,14.67) 117.56,14.68 v1(117.56,17.22)
  Bottom w0.254: v1(117.57,14.67) 108.57,14.67 103.22,9.32 100.51,9.32
Net-(L68-Pad2): length 22.8
  Top w0.254: v1(183.01,16.72) 183.56,16.17 v1(183.56,10.52)
  Bottom w0.254: 167.49,18.72 170.2,18.72 172.15,16.77 182.95,16.77 v1(183.01,16.72)
Net-(L69-Pad2): length 30.7
  Top w0.254: v1(206.86,17.22) 206.86,6.09 v1(206.85,6.08)
  Bottom w0.254: v1(206.85,6.08) 206.74,5.97 188.1,5.97 L69.2
Net-(L70-Pad2): length 17.6
  Bottom w0.254: L70.2 214.86,18.72 216.31,17.27 229.24,17.27
Net-(R6-Pad2): length 5.1
  Bottom w0.254: 27.08,10.92 27.41,11.25 31.8,11.25 31.95,11.1

## Copper pours and planes (outline as drawn; the poured copper is in the pictures)
GND on Top: 286.15,-0.85 -0.85,-0.85 -0.85,95.65 286.15,95.65
GND on Bottom: 286.15,-0.85 -0.85,-0.85 -0.85,95.65 286.15,95.65
GND on Bottom: 24.16,87.05 12.06,87.05 12.09,95.1 24.19,95.1

## Text on the board
B.Silkscreen: Pull-up I2C | INSTALL / HERE | for Outcast, Brave, / Seeker, Adventurer... | JLCJLCJLCJLC | #Nora_kbd, https://git.io/nora_kbd | Nora {dblquote}Fearless Wings{dblquote}, DN0032 by @jpskenn | ノ ラ
User.Comments: LED Jumper: FW→JP4, 5, 7, 8, 9 / RE→JP4, 5, 6, 8
User.Eco1: Key pitch: / Vertical: 17mm --> 1/4 = 4.25mm / Horisontal: 17.859375mm --> 1/4 = 4.46484375mm
